# Altium PCB controller_V1.1.PcbDoc (part 4 of 6)
Units mm, origin at the board's own origin, x right, y up, seen from the top; angles counter-clockwise.
Board outline 150 x 150 mm, 2 copper layers (Top Layer, Bottom Layer); 287 components, 242 nets, 1096 pads, 5968 vias.
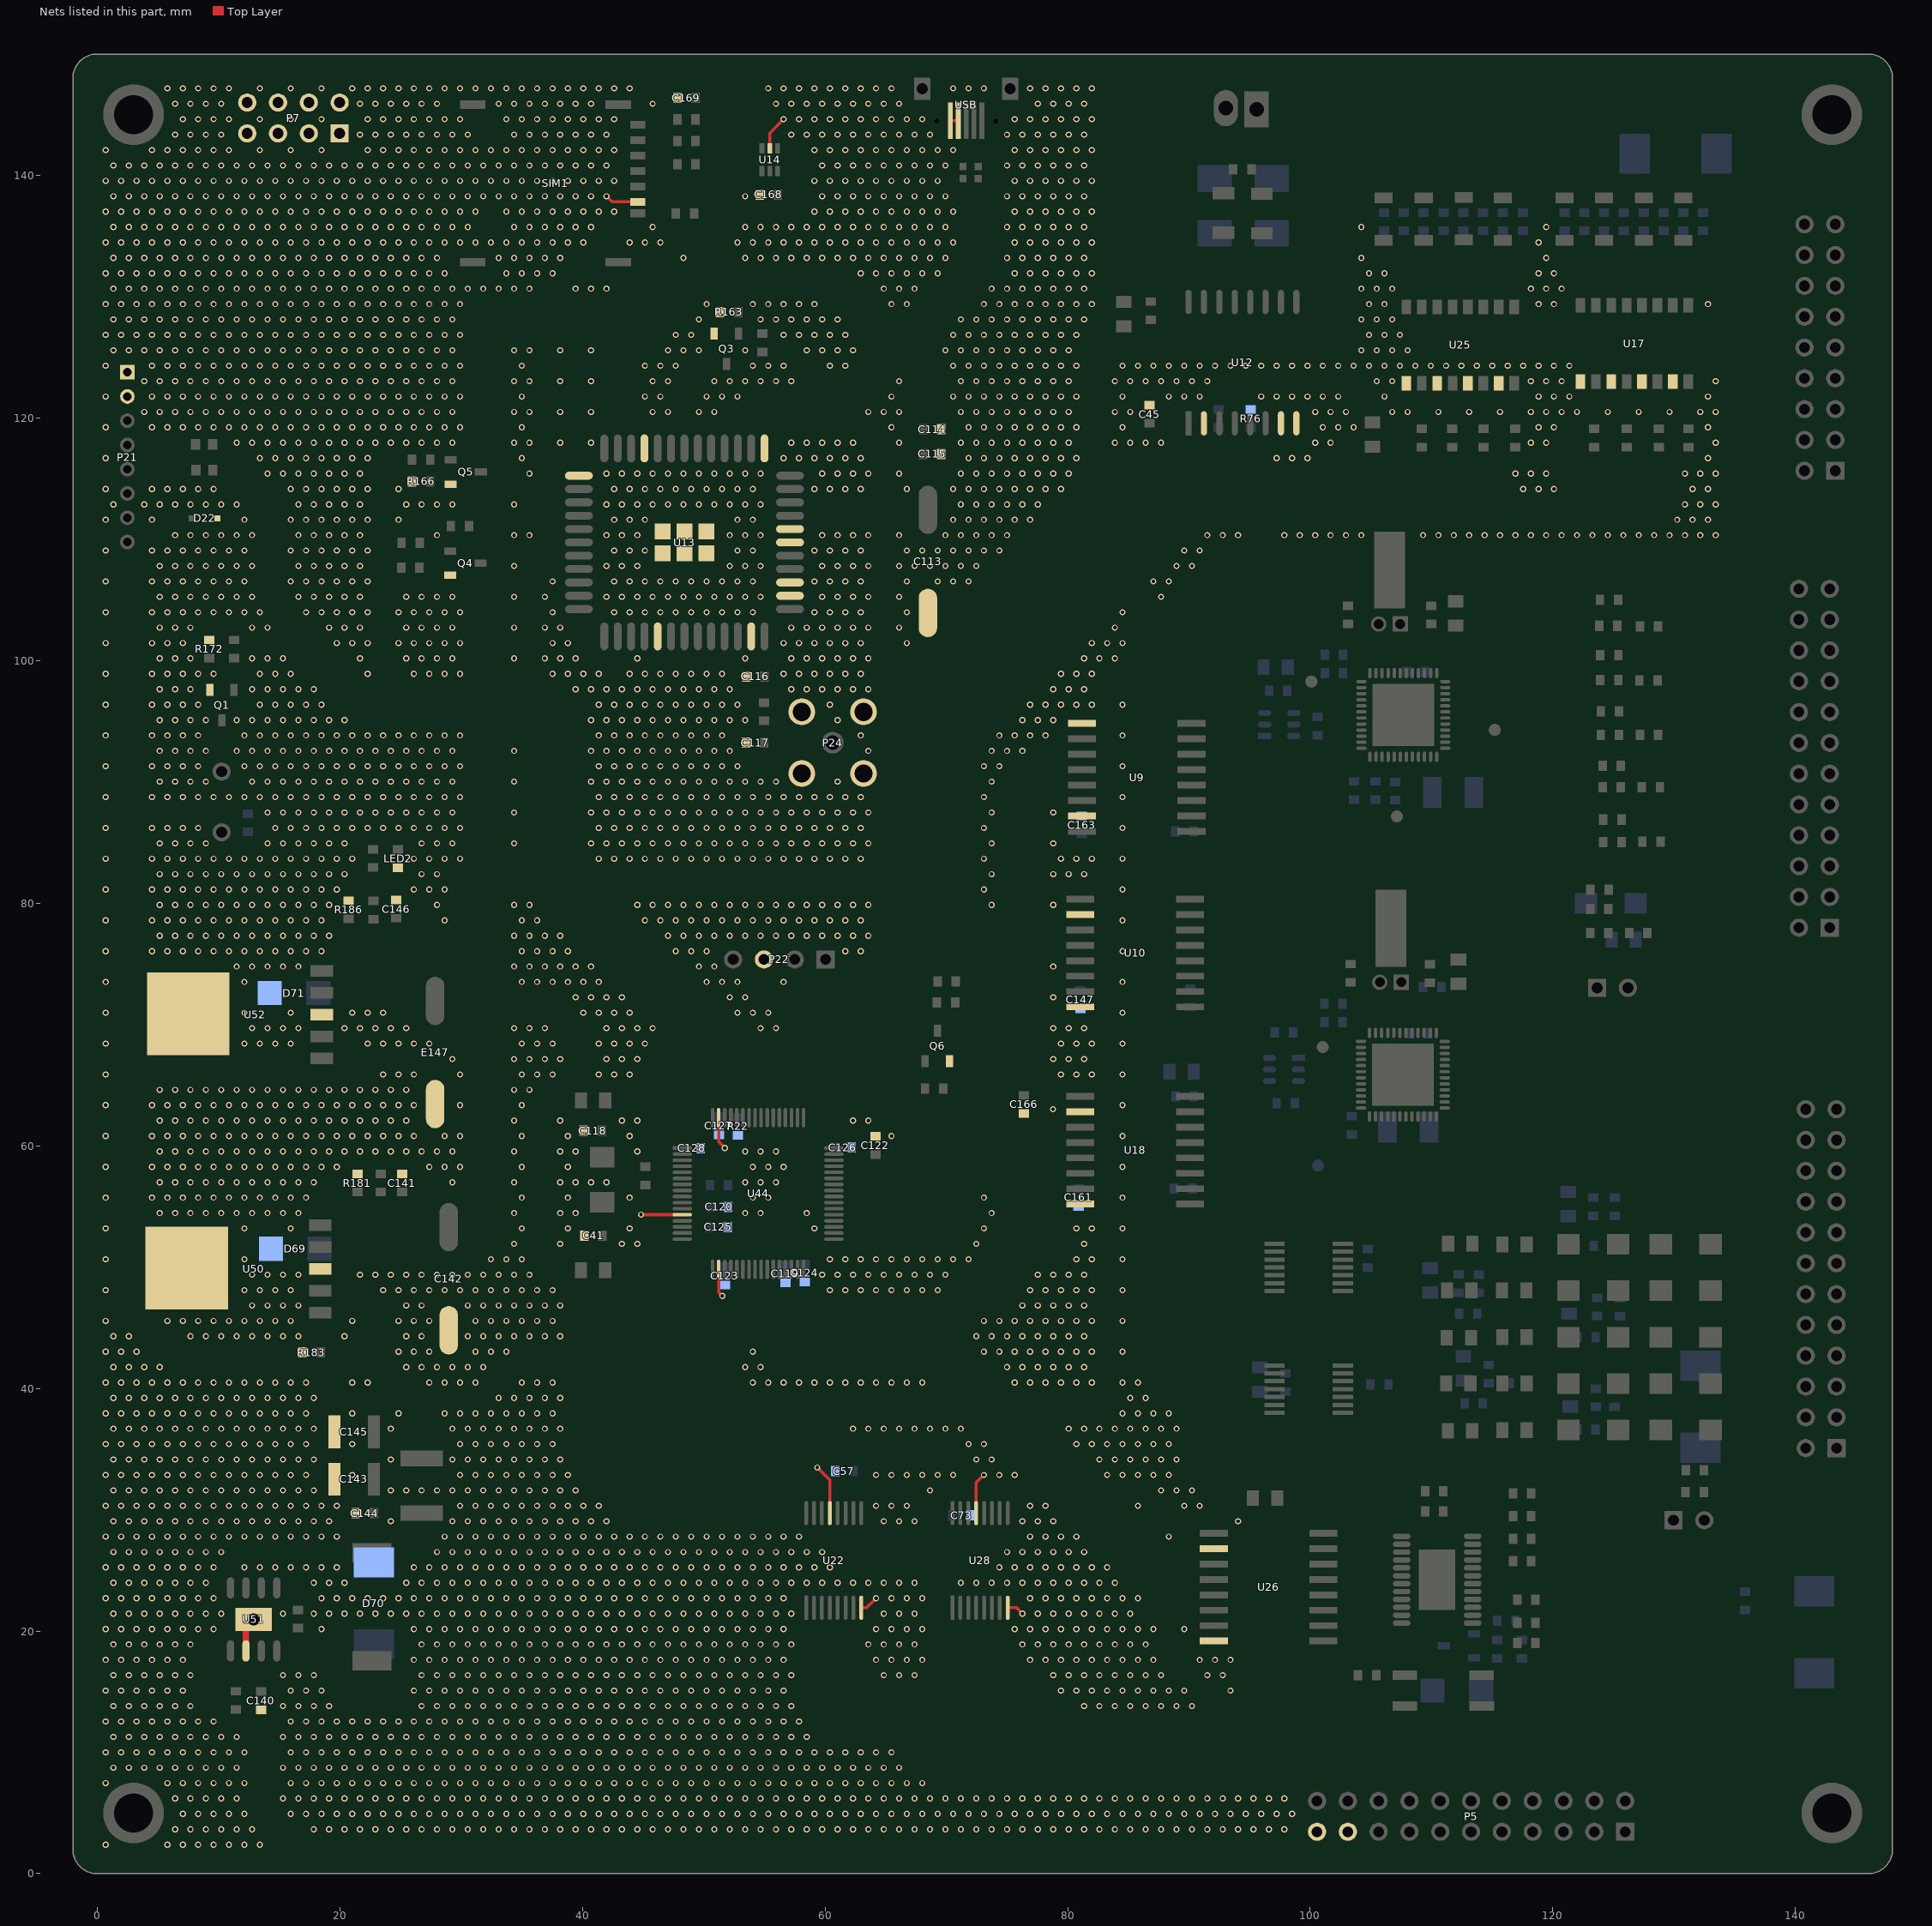
[diagram p4: the nets of this part, all layers, seen from the top]

## Via types
v1: diameter 0.508, hole 0.305, Top Layer to Bottom Layer, tented both sides, 5878 vias
v2: diameter 0.6, hole 0.3, Top Layer to Bottom Layer, 50 vias
v3: diameter 0.762, hole 0.508, Top Layer to Bottom Layer, tented both sides, 30 vias
v4: diameter 1.524, hole 1.016, Top Layer to Bottom Layer, tented both sides, 8 vias
v5: diameter 1.5, hole 1, Top Layer to Bottom Layer, 1 vias
v6: diameter 1.016, hole 0.762, Top Layer to Bottom Layer, tented both sides, 1 vias

## Nets (pads, with @x,y where several pads share a name; then routed paths per layer and width w, separated by ;. In a path a pad name is that pad's centre, name@x,y a point inside that pad or via, vN(x,y) a via of type N, cw(c..) or ccw(c..) an arc to the next point about the centre after c; other vN are vias at no path point) (continued)
GND: (continued)
  other v1: 0.709,2.388 5.789,2.388 7.059,2.388 8.329,2.388 9.599,2.388 10.869,2.388 12.139,2.388 13.409,2.388 6.424,3.658 7.694,3.658 8.964,3.658 10.234,3.658 11.504,3.658 12.774,3.658 17.854,3.658 19.124,3.658 20.394,3.658 21.664,3.658 22.934,3.658 24.204,3.658 25.474,3.658 26.744,3.658 28.014,3.658 29.284,3.658 30.554,3.658 31.824,3.658 33.094,3.658 34.364,3.658 35.634,3.658 36.904,3.658 38.174,3.658 39.444,3.658 40.714,3.658 41.984,3.658 43.254,3.658 44.524,3.658 45.794,3.658 47.064,3.658 48.334,3.658 49.604,3.658 50.874,3.658 52.144,3.658 53.414,3.658 54.684,3.658 55.954,3.658 57.224,3.658 58.494,3.658 59.764,3.658 61.034,3.658 62.304,3.658 63.574,3.658 64.844,3.658 66.114,3.658 67.384,3.658 68.654,3.658 69.924,3.658 71.194,3.658 72.464,3.658 73.734,3.658 75.004,3.658 76.274,3.658 77.544,3.658 78.814,3.658 80.084,3.658 81.354,3.658 82.624,3.658 83.894,3.658 85.164,3.658 86.434,3.658 87.704,3.658 88.974,3.658 90.244,3.658 91.514,3.658 92.784,3.658 94.054,3.658 95.324,3.658 96.594,3.658 97.864,3.658 7.059,4.928 8.329,4.928 9.599,4.928 10.869,4.928 12.139,4.928 15.949,4.928 17.219,4.928 18.489,4.928 19.759,4.928 21.029,4.928 22.299,4.928 23.569,4.928 24.839,4.928 26.109,4.928 27.379,4.928 28.649,4.928 29.919,4.928 31.189,4.928 32.459,4.928 33.729,4.928 34.999,4.928 36.269,4.928 37.539,4.928 38.809,4.928 40.079,4.928 41.349,4.928 42.619,4.928 43.889,4.928 45.159,4.928 46.429,4.928 47.699,4.928 48.969,4.928 50.239,4.928 51.509,4.928 52.779,4.928 54.049,4.928 55.319,4.928 56.589,4.928 57.859,4.928 59.129,4.928 60.399,4.928 61.669,4.928 62.939,4.928 64.209,4.928 65.479,4.928 66.749,4.928 68.019,4.928 69.289,4.928 70.559,4.928 71.829,4.928 73.099,4.928 74.369,4.928 75.639,4.928 76.909,4.928 78.179,4.928 79.449,4.928 80.719,4.928 81.989,4.928 83.259,4.928 84.529,4.928 85.799,4.928 87.069,4.928 88.339,4.928 89.609,4.928 90.879,4.928 92.149,4.928 93.419,4.928 94.689,4.928 95.959,4.928 97.229,4.928 98.499,4.928 6.424,6.198 7.694,6.198 8.964,6.198 10.234,6.198 11.504,6.198 15.314,6.198 16.584,6.198 17.854,6.198 19.124,6.198 20.394,6.198 21.664,6.198 22.934,6.198 24.204,6.198 25.474,6.198 26.744,6.198 28.014,6.198 29.284,6.198 30.554,6.198 31.824,6.198 33.094,6.198 34.364,6.198 35.634,6.198 36.904,6.198 38.174,6.198 39.444,6.198 40.714,6.198 41.984,6.198 43.254,6.198 44.524,6.198 45.794,6.198 47.064,6.198 48.334,6.198 49.604,6.198 50.874,6.198 52.144,6.198 53.414,6.198 54.684,6.198 55.954,6.198 57.224,6.198 58.494,6.198 59.764,6.198 61.034,6.198 62.304,6.198 63.574,6.198 64.844,6.198 66.114,6.198 67.384,6.198 68.654,6.198 69.924,6.198 71.194,6.198 72.464,6.198 73.734,6.198 75.004,6.198 76.274,6.198 77.544,6.198 78.814,6.198 80.084,6.198 81.354,6.198 82.624,6.198 83.894,6.198 85.164,6.198 86.434,6.198 87.704,6.198 88.974,6.198 90.244,6.198 91.514,6.198 92.784,6.198 94.054,6.198 95.324,6.198 96.594,6.198 97.864,6.198 0.709,7.468 5.789,7.468 7.059,7.468 8.329,7.468 9.599,7.468 10.869,7.468 12.139,7.468 15.949,7.468 17.219,7.468 18.489,7.468 19.759,7.468 21.029,7.468 22.299,7.468 23.569,7.468 24.839,7.468 26.109,7.468 27.379,7.468 28.649,7.468 29.919,7.468 31.189,7.468 32.459,7.468 33.729,7.468 34.999,7.468 36.269,7.468 37.539,7.468 38.809,7.468 40.079,7.468 41.349,7.468 42.619,7.468 43.889,7.468 45.159,7.468 46.429,7.468 47.699,7.468 48.969,7.468 50.239,7.468 51.509,7.468 52.779,7.468 54.049,7.468 55.319,7.468 56.589,7.468 57.859,7.468 59.129,7.468 60.399,7.468 61.669,7.468 62.939,7.468 64.209,7.468 65.479,7.468 66.749,7.468 68.019,7.468 1.344,8.738 2.614,8.738 3.884,8.738 5.154,8.738 6.424,8.738 7.694,8.738 8.964,8.738 10.234,8.738 11.504,8.738 15.314,8.738 16.584,8.738 17.854,8.738 19.124,8.738 20.394,8.738 21.664,8.738 22.934,8.738 24.204,8.738 25.474,8.738 26.744,8.738 28.014,8.738 29.284,8.738 30.554,8.738 31.824,8.738 33.094,8.738 34.364,8.738 35.634,8.738 36.904,8.738 38.174,8.738 39.444,8.738 40.714,8.738 41.984,8.738 43.254,8.738 44.524,8.738 45.794,8.738 47.064,8.738 48.334,8.738 49.604,8.738 50.874,8.738 52.144,8.738 53.414,8.738 54.684,8.738 55.954,8.738 57.224,8.738 58.494,8.738 59.764,8.738 61.034,8.738 62.304,8.738 63.574,8.738 64.844,8.738 66.114,8.738 0.709,10.008 1.979,10.008 3.249,10.008 4.519,10.008 5.789,10.008 7.059,10.008 8.329,10.008 9.599,10.008 10.869,10.008 12.139,10.008 15.949,10.008 17.219,10.008 18.489,10.008 19.759,10.008 21.029,10.008 22.299,10.008 23.569,10.008 24.839,10.008 26.109,10.008 27.379,10.008 28.649,10.008 29.919,10.008 31.189,10.008 32.459,10.008 33.729,10.008 34.999,10.008 36.269,10.008 37.539,10.008 38.809,10.008 40.079,10.008 41.349,10.008 42.619,10.008 43.889,10.008 45.159,10.008 46.429,10.008 47.699,10.008 48.969,10.008 50.239,10.008 51.509,10.008 52.779,10.008 54.049,10.008 55.319,10.008 56.589,10.008 57.859,10.008 59.129,10.008 60.399,10.008 61.669,10.008 62.939,10.008 64.209,10.008 65.479,10.008 1.344,11.278 2.614,11.278 3.884,11.278 5.154,11.278 6.424,11.278 7.694,11.278 8.964,11.278 10.234,11.278 11.504,11.278 15.314,11.278 16.584,11.278 17.854,11.278 19.124,11.278 20.394,11.278 21.664,11.278 22.934,11.278 24.204,11.278 25.474,11.278 26.744,11.278 28.014,11.278 29.284,11.278 30.554,11.278 31.824,11.278 33.094,11.278 34.364,11.278 35.634,11.278 36.904,11.278 38.174,11.278 39.444,11.278 40.714,11.278 41.984,11.278 43.254,11.278 44.524,11.278 45.794,11.278 47.064,11.278 48.334,11.278 49.604,11.278 50.874,11.278 52.144,11.278 53.414,11.278 54.684,11.278 55.954,11.278 57.224,11.278 58.494,11.278 0.709,12.548 1.979,12.548 3.249,12.548 4.519,12.548 5.789,12.548 7.059,12.548 8.329,12.548 9.599,12.548 15.949,12.548 17.219,12.548 18.489,12.548 19.759,12.548 21.029,12.548 22.299,12.548 23.569,12.548 24.839,12.548 26.109,12.548 27.379,12.548 28.649,12.548 29.919,12.548 31.189,12.548 32.459,12.548 33.729,12.548 34.999,12.548 36.269,12.548 37.539,12.548 38.809,12.548 40.079,12.548 41.349,12.548 42.619,12.548 43.889,12.548 45.159,12.548 46.429,12.548 47.699,12.548 48.969,12.548 50.239,12.548 51.509,12.548 52.779,12.548 54.049,12.548 55.319,12.548 56.589,12.548 57.859,12.548 1.344,13.818 2.614,13.818 3.884,13.818 5.154,13.818 6.424,13.818 7.694,13.818 15.314,13.818 16.584,13.818 17.854,13.818 19.124,13.818 26.744,13.818 28.014,13.818 29.284,13.818 30.554,13.818 31.824,13.818 33.094,13.818 34.364,13.818 35.634,13.818 36.904,13.818 38.174,13.818 39.444,13.818 40.714,13.818 41.984,13.818 43.254,13.818 44.524,13.818 45.794,13.818 47.064,13.818 48.334,13.818 49.604,13.818 50.874,13.818 52.144,13.818 53.414,13.818 54.684,13.818 55.954,13.818 57.224,13.818 81.354,13.818 82.624,13.818 83.894,13.818 85.164,13.818 86.434,13.818 87.704,13.818 88.974,13.818 90.244,13.818 0.709,15.088 1.979,15.088 3.249,15.088 4.519,15.088 5.789,15.088 7.059,15.088 15.949,15.088 17.219,15.088 18.489,15.088 26.109,15.088 27.379,15.088 28.649,15.088 29.919,15.088 31.189,15.088 32.459,15.088 33.729,15.088 34.999,15.088 36.269,15.088 37.539,15.088 38.809,15.088 40.079,15.088 41.349,15.088 42.619,15.088 43.889,15.088 45.159,15.088 46.429,15.088 47.699,15.088 48.969,15.088 50.239,15.088 51.509,15.088 52.779,15.088 54.049,15.088 55.319,15.088 56.589,15.088 79.449,15.088 80.719,15.088 81.989,15.088 83.259,15.088 84.529,15.088 85.799,15.088 87.069,15.088 88.339,15.088 89.609,15.088 93.419,15.088 1.344,16.358 2.614,16.358 3.884,16.358 5.154,16.358 6.424,16.358 7.694,16.358 15.314,16.358 16.584,16.358 17.854,16.358 26.744,16.358 28.014,16.358 29.284,16.358 30.554,16.358 31.824,16.358 33.094,16.358 34.364,16.358 35.634,16.358 36.904,16.358 38.174,16.358 39.444,16.358 40.714,16.358 41.984,16.358 43.254,16.358 44.524,16.358 45.794,16.358 47.064,16.358 48.334,16.358 49.604,16.358 50.874,16.358 52.144,16.358 53.414,16.358 54.684,16.358 55.954,16.358 57.224,16.358 64.844,16.358 66.114,16.358 67.384,16.358 78.814,16.358 80.084,16.358 81.354,16.358 82.624,16.358 83.894,16.358 85.164,16.358 86.434,16.358 87.704,16.358 91.514,16.358 92.784,16.358 0.709,17.628 1.979,17.628 3.249,17.628 4.519,17.628 5.789,17.628 7.059,17.628 26.109,17.628 27.379,17.628 28.649,17.628 29.919,17.628 31.189,17.628 32.459,17.628 33.729,17.628 34.999,17.628 36.269,17.628 37.539,17.628 38.809,17.628 40.079,17.628 41.349,17.628 42.619,17.628 43.889,17.628 45.159,17.628 46.429,17.628 47.699,17.628 48.969,17.628 50.239,17.628 51.509,17.628 52.779,17.628 54.049,17.628 55.319,17.628 56.589,17.628 64.209,17.628 65.479,17.628 66.749,17.628 68.019,17.628 76.909,17.628 78.179,17.628 79.449,17.628 80.719,17.628 81.989,17.628 83.259,17.628 84.529,17.628 85.799,17.628 87.069,17.628 90.879,17.628 92.149,17.628 93.419,17.628 1.344,18.898 2.614,18.898 3.884,18.898 5.154,18.898 6.424,18.898 7.694,18.898 26.744,18.898 28.014,18.898 29.284,18.898 30.554,18.898 31.824,18.898 33.094,18.898 34.364,18.898 35.634,18.898 36.904,18.898 38.174,18.898 39.444,18.898 40.714,18.898 41.984,18.898 43.254,18.898 44.524,18.898 45.794,18.898 47.064,18.898 48.334,18.898 49.604,18.898 50.874,18.898 52.144,18.898 53.414,18.898 54.684,18.898 55.954,18.898 57.224,18.898 63.574,18.898 64.844,18.898 66.114,18.898 67.384,18.898 76.274,18.898 77.544,18.898 78.814,18.898 80.084,18.898 81.354,18.898 82.624,18.898 83.894,18.898 85.164,18.898 86.434,18.898 0.709,20.168 1.979,20.168 3.249,20.168 4.519,20.168 5.789,20.168 7.059,20.168 8.329,20.168 9.599,20.168 18.489,20.168 26.109,20.168 27.379,20.168 28.649,20.168 29.919,20.168 31.189,20.168 32.459,20.168 33.729,20.168 34.999,20.168 36.269,20.168 37.539,20.168 38.809,20.168 40.079,20.168 41.349,20.168 42.619,20.168 43.889,20.168 45.159,20.168 46.429,20.168 47.699,20.168 48.969,20.168 50.239,20.168 51.509,20.168 52.779,20.168 54.049,20.168 55.319,20.168 56.589,20.168 64.209,20.168 65.479,20.168 66.749,20.168 68.019,20.168 75.639,20.168 76.909,20.168 78.179,20.168 79.449,20.168 80.719,20.168 81.989,20.168 83.259,20.168 84.529,20.168 85.799,20.168 87.069,20.168 89.609,20.168 1.344,21.438 2.614,21.438 3.884,21.438 5.154,21.438 6.424,21.438 7.694,21.438 8.964,21.438 10.234,21.438 15.314,21.438 17.854,21.438 19.124,21.438 20.394,21.438 21.664,21.438 22.934,21.438 24.204,21.438 25.474,21.438 26.744,21.438 28.014,21.438 29.284,21.438 30.554,21.438 31.824,21.438 33.094,21.438 34.364,21.438 35.634,21.438 36.904,21.438 38.174,21.438 39.444,21.438 40.714,21.438 41.984,21.438 43.254,21.438 44.524,21.438 45.794,21.438 47.064,21.438 48.334,21.438 49.604,21.438 50.874,21.438 52.144,21.438 53.414,21.438 54.684,21.438 55.954,21.438 57.224,21.438 64.844,21.438 66.114,21.438 67.384,21.438 77.544,21.438 78.814,21.438 80.084,21.438 81.354,21.438 82.624,21.438 83.894,21.438 85.164,21.438 0.709,22.708 1.979,22.708 3.249,22.708 4.519,22.708 5.789,22.708 7.059,22.708 8.329,22.708 9.599,22.708 18.489,22.708 19.759,22.708 21.029,22.708 22.299,22.708 23.569,22.708 24.839,22.708 26.109,22.708 27.379,22.708 28.649,22.708 29.919,22.708 31.189,22.708 32.459,22.708 33.729,22.708 34.999,22.708 36.269,22.708 37.539,22.708 38.809,22.708 40.079,22.708 41.349,22.708 42.619,22.708 43.889,22.708 45.159,22.708 46.429,22.708 47.699,22.708 48.969,22.708 50.239,22.708 51.509,22.708 52.779,22.708 54.049,22.708 55.319,22.708 56.589,22.708 65.479,22.708 66.749,22.708 68.019,22.708 76.909,22.708 78.179,22.708 79.449,22.708 80.719,22.708 81.989,22.708 83.259,22.708 84.529,22.708 85.799,22.708 1.344,23.978 2.614,23.978 3.884,23.978 5.154,23.978 6.424,23.978 7.694,23.978 8.964,23.978 17.854,23.978 19.124,23.978 20.394,23.978 25.474,23.978 26.744,23.978 28.014,23.978 29.284,23.978 30.554,23.978 31.824,23.978 33.094,23.978 34.364,23.978 35.634,23.978 36.904,23.978 38.174,23.978 39.444,23.978 40.714,23.978 41.984,23.978 43.254,23.978 44.524,23.978 45.794,23.978 47.064,23.978 48.334,23.978 49.604,23.978 50.874,23.978 52.144,23.978 53.414,23.978 54.684,23.978 55.954,23.978 57.224,23.978 58.494,23.978 59.764,23.978 61.034,23.978 62.304,23.978 63.574,23.978 64.844,23.978 66.114,23.978 67.384,23.978 71.194,23.978 72.464,23.978 73.734,23.978 75.004,23.978 76.274,23.978 77.544,23.978 78.814,23.978 80.084,23.978 81.354,23.978 82.624,23.978 83.894,23.978 0.709,25.248 1.979,25.248 3.249,25.248 4.519,25.248 5.789,25.248 7.059,25.248 8.329,25.248 9.599,25.248 12.139,25.248 13.409,25.248 14.679,25.248 15.949,25.248 17.219,25.248 18.489,25.248 19.759,25.248 26.109,25.248 27.379,25.248 28.649,25.248 29.919,25.248 31.189,25.248 32.459,25.248 33.729,25.248 34.999,25.248 36.269,25.248 37.539,25.248 38.809,25.248 40.079,25.248 41.349,25.248 42.619,25.248 43.889,25.248 45.159,25.248 46.429,25.248 47.699,25.248 48.969,25.248 50.239,25.248 51.509,25.248 52.779,25.248 54.049,25.248 55.319,25.248 56.589,25.248 57.859,25.248 59.129,25.248 60.399,25.248 74.369,25.248 75.639,25.248 76.909,25.248 78.179,25.248 79.449,25.248 80.719,25.248 81.989,25.248 83.259,25.248 1.344,26.518 2.614,26.518 3.884,26.518 5.154,26.518 6.424,26.518 7.694,26.518 8.964,26.518 10.234,26.518 28.014,26.518 29.284,26.518 30.554,26.518 31.824,26.518 33.094,26.518 34.364,26.518 35.634,26.518 36.904,26.518 38.174,26.518 39.444,26.518 40.714,26.518 41.984,26.518 43.254,26.518 44.524,26.518 45.794,26.518 47.064,26.518 48.334,26.518 49.604,26.518 50.874,26.518 52.144,26.518 53.414,26.518 54.684,26.518 55.954,26.518 57.224,26.518 58.494,26.518 59.764,26.518 75.004,26.518 76.274,26.518 77.544,26.518 78.814,26.518 80.084,26.518 81.354,26.518 0.709,27.788 1.979,27.788 3.249,27.788 4.519,27.788 5.789,27.788 7.059,27.788 8.329,27.788 9.599,27.788 10.869,27.788 12.139,27.788 13.409,27.788 14.679,27.788 15.949,27.788 17.219,27.788 18.489,27.788 19.759,27.788 28.649,27.788 29.919,27.788 31.189,27.788 32.459,27.788 33.729,27.788 34.999,27.788 36.269,27.788 37.539,27.788 38.809,27.788 40.079,27.788 41.349,27.788 42.619,27.788 43.889,27.788 45.159,27.788 46.429,27.788 47.699,27.788 48.969,27.788 50.239,27.788 51.509,27.788 52.779,27.788 54.049,27.788 55.319,27.788 56.589,27.788 57.859,27.788 76.909,27.788 78.179,27.788 79.449,27.788 80.719,27.788 88.339,27.788 1.344,29.058 2.614,29.058 3.884,29.058 5.154,29.058 6.424,29.058 7.694,29.058 8.964,29.058 10.234,29.058 11.504,29.058 12.774,29.058 14.044,29.058 15.314,29.058 16.584,29.058 17.854,29.058 19.124,29.058 24.204,29.058 29.284,29.058 30.554,29.058 31.824,29.058 33.094,29.058 34.364,29.058 35.634,29.058 36.904,29.058 38.174,29.058 39.444,29.058 40.714,29.058 41.984,29.058 64.844,29.058 66.114,29.058 67.384,29.058 76.274,29.058 77.544,29.058 78.814,29.058 94.054,29.058 0.709,30.328 1.979,30.328 3.249,30.328 4.519,30.328 5.789,30.328 7.059,30.328 8.329,30.328 9.599,30.328 10.869,30.328 12.139,30.328 13.409,30.328 14.679,30.328 15.949,30.328 17.219,30.328 18.489,30.328 19.759,30.328 29.919,30.328 31.189,30.328 32.459,30.328 33.729,30.328 34.999,30.328 36.269,30.328 37.539,30.328 38.809,30.328 40.079,30.328 41.349,30.328 64.209,30.328 65.479,30.328 66.749,30.328 76.909,30.328 78.179,30.328 85.799,30.328 89.609,30.328 90.879,30.328 1.344,31.598 2.614,31.598 3.884,31.598 5.154,31.598 6.424,31.598 7.694,31.598 8.964,31.598 10.234,31.598 11.504,31.598 12.774,31.598 14.044,31.598 15.314,31.598 16.584,31.598 17.854,31.598 24.204,31.598 25.474,31.598 26.744,31.598 28.014,31.598 29.284,31.598 30.554,31.598 31.824,31.598 33.094,31.598 34.364,31.598 35.634,31.598 36.904,31.598 38.174,31.598 39.444,31.598 68.654,31.598 87.704,31.598 88.974,31.598 90.244,31.598 0.709,32.868 1.979,32.868 3.249,32.868 4.519,32.868 5.789,32.868 7.059,32.868 8.329,32.868 9.599,32.868 10.869,32.868 12.139,32.868 13.409,32.868 14.679,32.868 15.949,32.868 17.219,32.868 21.029,32.868 29.919,32.868 31.189,32.868 32.459,32.868 33.729,32.868 34.999,32.868 36.269,32.868 37.539,32.868 38.809,32.868 64.209,32.868 65.479,32.868 66.749,32.868 68.019,32.868 69.289,32.868 70.559,32.868 74.369,32.868 75.639,32.868 83.259,32.868 84.529,32.868 85.799,32.868 87.069,32.868 88.339,32.868 1.344,34.138 2.614,34.138 3.884,34.138 5.154,34.138 6.424,34.138 7.694,34.138 8.964,34.138 10.234,34.138 11.504,34.138 12.774,34.138 14.044,34.138 15.314,34.138 16.584,34.138 17.854,34.138 24.204,34.138 29.284,34.138 30.554,34.138 31.824,34.138 33.094,34.138 34.364,34.138 35.634,34.138 36.904,34.138 38.174,34.138 72.464,34.138 73.734,34.138 82.624,34.138 83.894,34.138 85.164,34.138 86.434,34.138 87.704,34.138 88.974,34.138 0.709,35.408 1.979,35.408 3.249,35.408 4.519,35.408 5.789,35.408 7.059,35.408 8.329,35.408 9.599,35.408 10.869,35.408 12.139,35.408 13.409,35.408 14.679,35.408 15.949,35.408 17.219,35.408 21.029,35.408 29.919,35.408 31.189,35.408 32.459,35.408 33.729,35.408 34.999,35.408 36.269,35.408 37.539,35.408 71.829,35.408 73.099,35.408 80.719,35.408 81.989,35.408 83.259,35.408 84.529,35.408 85.799,35.408 87.069,35.408 88.339,35.408 1.344,36.678 2.614,36.678 3.884,36.678 5.154,36.678 6.424,36.678 7.694,36.678 8.964,36.678 10.234,36.678 11.504,36.678 12.774,36.678 14.044,36.678 15.314,36.678 16.584,36.678 17.854,36.678 24.204,36.678 29.284,36.678 30.554,36.678 31.824,36.678 33.094,36.678 34.364,36.678 35.634,36.678 36.904,36.678 38.174,36.678 62.304,36.678 63.574,36.678 64.844,36.678 66.114,36.678 67.384,36.678 68.654,36.678 69.924,36.678 71.194,36.678 80.084,36.678 81.354,36.678 82.624,36.678 83.894,36.678 85.164,36.678 86.434,36.678 87.704,36.678 88.974,36.678 0.709,37.948 1.979,37.948 3.249,37.948 4.519,37.948 5.789,37.948 7.059,37.948 8.329,37.948 9.599,37.948 10.869,37.948 12.139,37.948 13.409,37.948 14.679,37.948 15.949,37.948 17.219,37.948 21.029,37.948 24.839,37.948 28.649,37.948 29.919,37.948 31.189,37.948 32.459,37.948 33.729,37.948 34.999,37.948 36.269,37.948 37.539,37.948 84.529,37.948 85.799,37.948 87.069,37.948 88.339,37.948 1.344,39.218 2.614,39.218 3.884,39.218 5.154,39.218 6.424,39.218 7.694,39.218 8.964,39.218 10.234,39.218 11.504,39.218 12.774,39.218 14.044,39.218 15.314,39.218 16.584,39.218 17.854,39.218 33.094,39.218 34.364,39.218 35.634,39.218 36.904,39.218 38.174,39.218 85.164,39.218 86.434,39.218 0.709,40.488 1.979,40.488 3.249,40.488 4.519,40.488 5.789,40.488 7.059,40.488 8.329,40.488 9.599,40.488 10.869,40.488 12.139,40.488 13.409,40.488 14.679,40.488 15.949,40.488 17.219,40.488 21.029,40.488 22.299,40.488 27.379,40.488 28.649,40.488 29.919,40.488 31.189,40.488 34.999,40.488 36.269,40.488 37.539,40.488 54.049,40.488 55.319,40.488 56.589,40.488 57.859,40.488 59.129,40.488 60.399,40.488 61.669,40.488 62.939,40.488 64.209,40.488 65.479,40.488 66.749,40.488 68.019,40.488 75.639,40.488 76.909,40.488 78.179,40.488 79.449,40.488 80.719,40.488 81.989,40.488 84.529,40.488 85.799,40.488 1.344,41.758 2.614,41.758 3.884,41.758 5.154,41.758 25.474,41.758 26.744,41.758 28.014,41.758 29.284,41.758 30.554,41.758 31.824,41.758 53.414,41.758 54.684,41.758 75.004,41.758 76.274,41.758 77.544,41.758 78.814,41.758 80.084,41.758 81.354,41.758 0.709,43.028 1.979,43.028 3.249,43.028 24.839,43.028 26.109,43.028 27.379,43.028 31.189,43.028 32.459,43.028 33.729,43.028 54.049,43.028 73.099,43.028 74.369,43.028 75.639,43.028 76.909,43.028 78.179,43.028 79.449,43.028 80.719,43.028 81.989,43.028 84.529,43.028 1.344,44.298 2.614,44.298 7.694,44.298 8.964,44.298 10.234,44.298 11.504,44.298 12.774,44.298 14.044,44.298 15.314,44.298 16.584,44.298 20.394,44.298 25.474,44.298 26.744,44.298 30.554,44.298 31.824,44.298 33.094,44.298 34.364,44.298 35.634,44.298 36.904,44.298 38.174,44.298 72.464,44.298 73.734,44.298 75.004,44.298 76.274,44.298 77.544,44.298 78.814,44.298 80.084,44.298 81.354,44.298 0.709,45.568 5.789,45.568 7.059,45.568 8.329,45.568 9.599,45.568 10.869,45.568 12.139,45.568 13.409,45.568 14.679,45.568 15.949,45.568 21.029,45.568 24.839,45.568 26.109,45.568 27.379,45.568 31.189,45.568 32.459,45.568 33.729,45.568 34.999,45.568 36.269,45.568 37.539,45.568 73.099,45.568 74.369,45.568 75.639,45.568 76.909,45.568 78.179,45.568 79.449,45.568 80.719,45.568 81.989,45.568 84.529,45.568 12.774,46.838 14.044,46.838 15.314,46.838 16.584,46.838 25.474,46.838 26.744,46.838 30.554,46.838 31.824,46.838 33.094,46.838 34.364,46.838 35.634,46.838 36.904,46.838 38.174,46.838 76.274,46.838 77.544,46.838 78.814,46.838 80.084,46.838 81.354,46.838 51.537,47.625 0.709,48.108 12.139,48.108 13.409,48.108 14.679,48.108 15.949,48.108 